# Allegro board trx_layout.brd (continued)
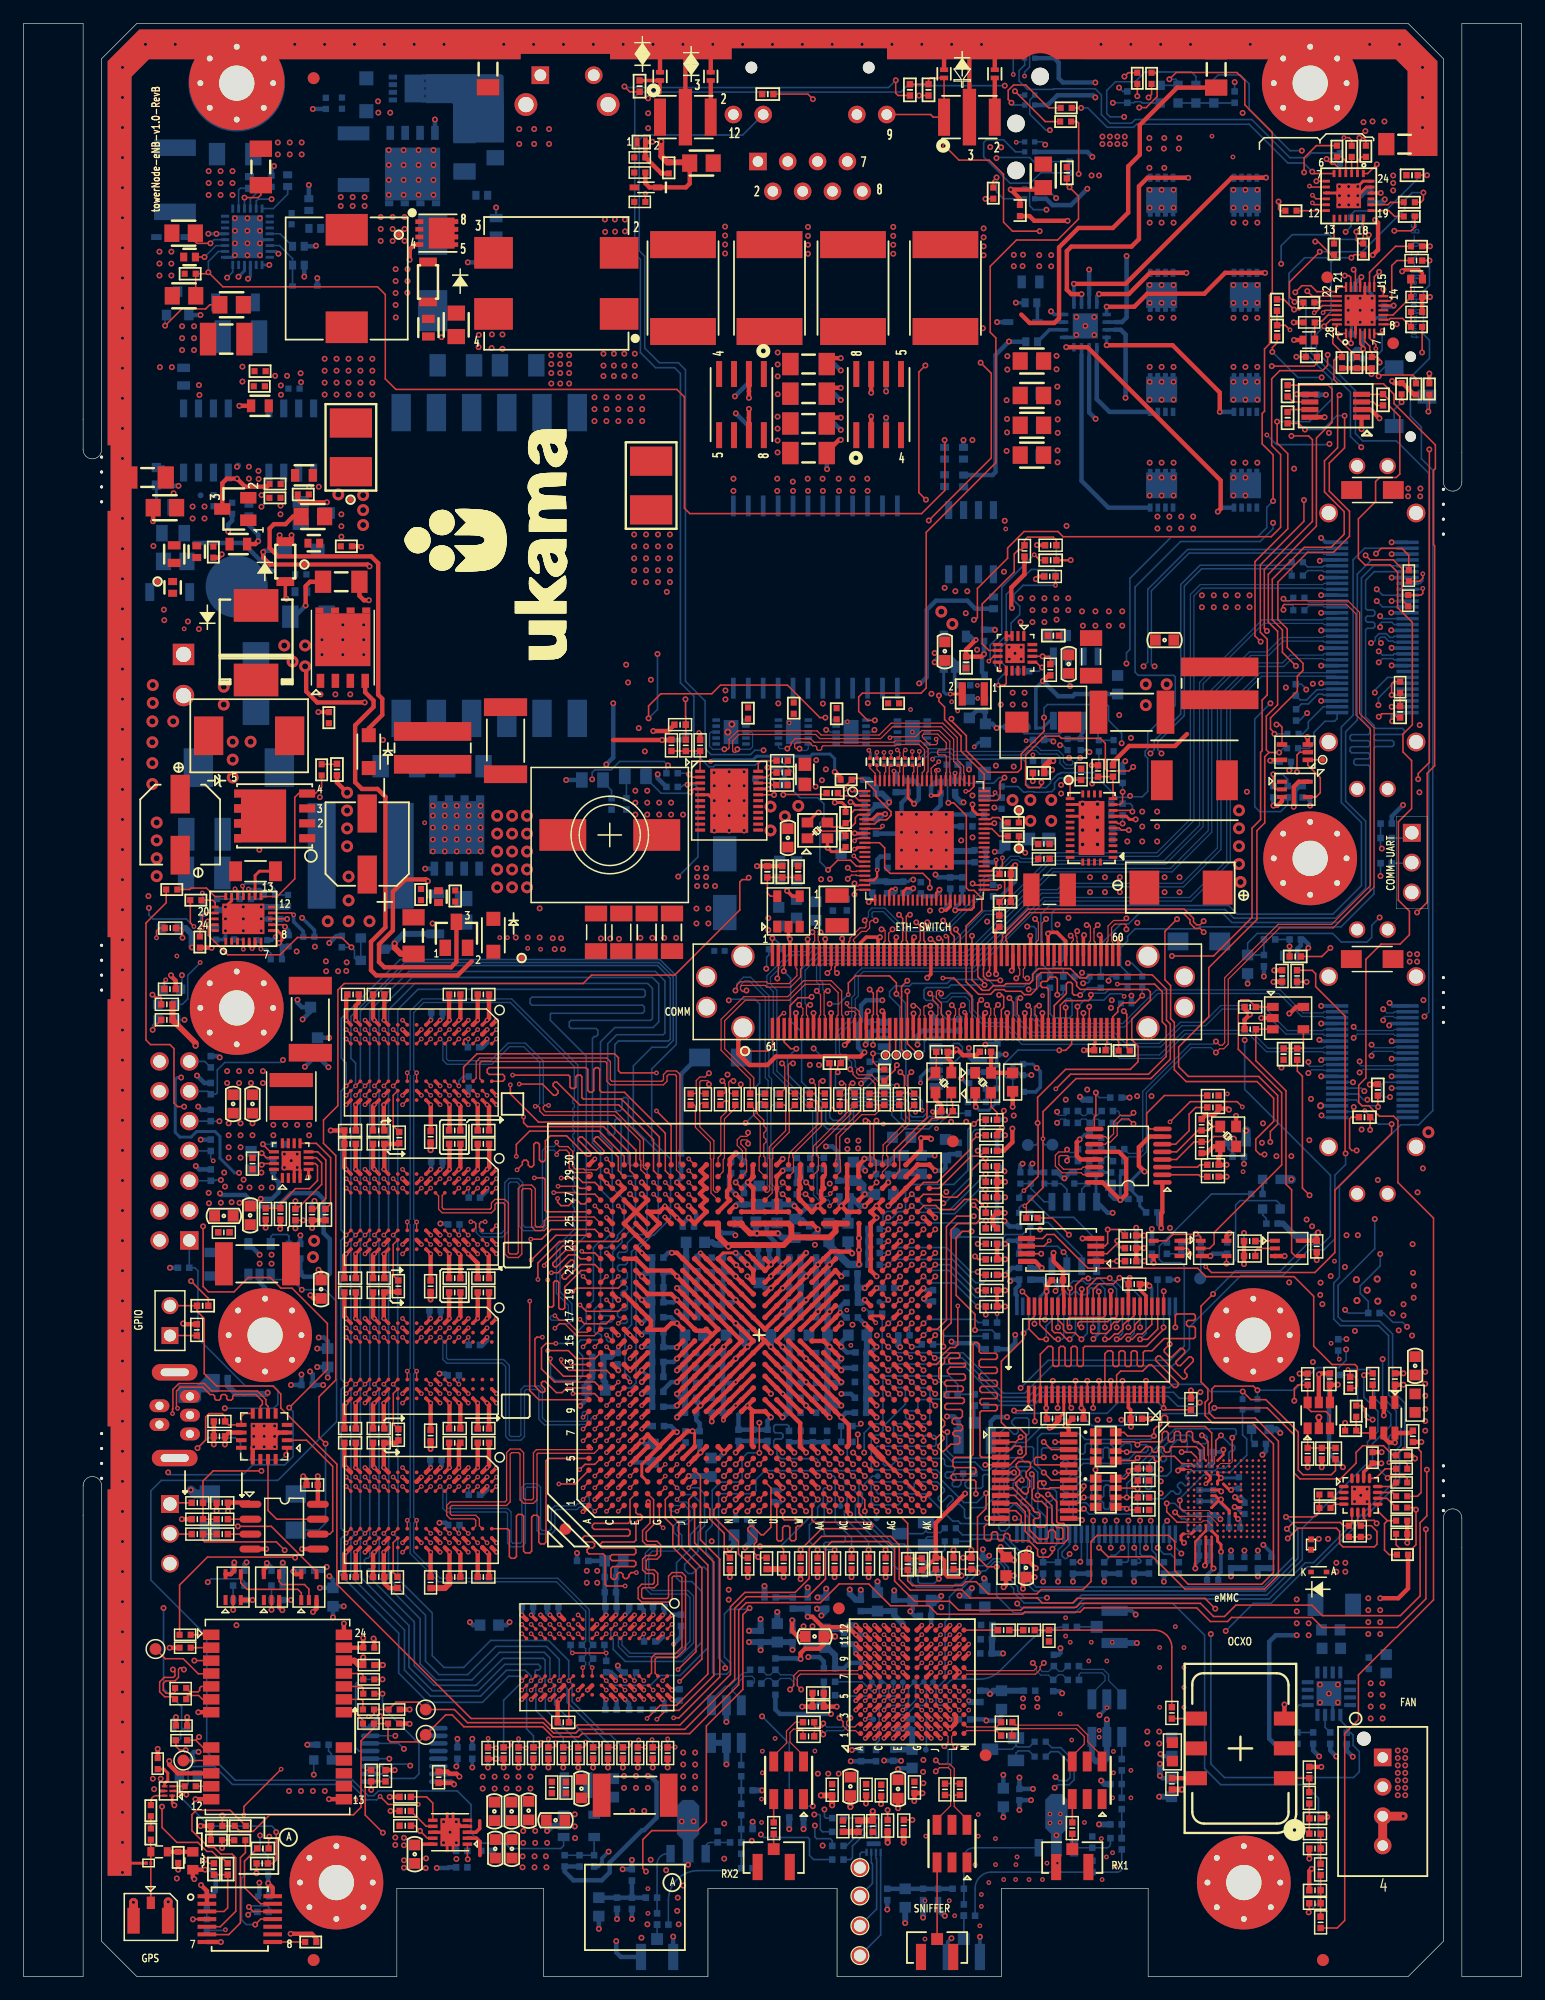
[diagram p0: board, top side]
## Routing (per net, layer and track width the routed paths; a pad name or vN(x,y) marks a point on that pad's centre or on a via; arc(x,y) is an arc through that point) (continued)
R0_LED/P4_LED0/ADDR[0]N: length 126
  TOP w0.137: U243.17 70.96,94.53 70.45,95.04 69.36,95.04 v1(68.54,94.23)
  L6-SIGNAL w0.127: v1(83.59,161) 84.78,161 85.88,159.89 89.59,159.89 90.35,160.65 93.15,160.65 v1(93.32,160.83)
  BOTTOM w0.137: R709.2 93.65,160.5 v1(93.32,160.83) ; v1(68.54,94.23) 67.84,94.93 67.84,98.22 68.19,98.56 68.19,99.84 67.66,100.36 66.16,100.36 65.64,100.88 65.64,102.41 64.6,103.45 62.65,103.45 62.34,103.14 58.91,103.14 58.78,103.01 58.38,103.01 57.1,104.29 57.1,109.01 55.96,110.15 55.96,136.49 55.47,136.99 53.84,136.99 52.55,138.28 52.55,146.21 52.07,146.68 52.07,160.05 52.48,160.45 74.73,160.45 75.28,161 v1(83.59,161)
R1_LED/P3_LED1/ADDR[1]N: length 134.1
  TOP w0.137: v2(70.73,95.42) 71.21,94.93 U243.16 ; v1(77.12,123.97) 82.44,129.3 82.44,136.5 v1(81.53,137.41)
  L3-SIGNAL w0.127: v1(103.17,161.3) 102.81,160.93 95.71,160.93 95.35,160.58 95.35,159.66 95.56,159.46 95.56,158.29 95.16,157.89 87.19,157.89 85.93,156.64 81.73,156.64 79.91,154.82 79.91,143.13 82.27,140.77 82.27,139.93 81.53,139.19 v1(81.53,137.41) ; v2(70.73,95.42) 70.74,95.42 72.51,93.65 72.51,93.29 73.86,91.94 83.64,91.94 86.05,89.53 87.29,89.53 87.7,89.12 88.27,89.12 88.55,89.41 88.55,90.76 89.22,91.43 89.22,95.51 88.86,95.88 88.86,101.62 88.35,102.12 87.61,102.12 87.1,102.63 87.1,105.34 87.73,105.97 87.73,107.67 85.03,110.37 82.67,110.37 82.43,110.61 79.1,110.61 78.5,110.02 78.5,108.79 78.25,108.53 77.14,108.53 76.89,108.79 76.89,123.75 v1(77.12,123.97)
  BOTTOM w0.137: R708.2 v1(103.17,161.3)
RF_1V8: length 33.5
  TOP w0.381: v1(117.55,50.39) C112.1 U25.1 ; v1(84.35,34.14) L12.1 83.69,33.35 v1(83.49,33.15)
  L3-SIGNAL w0.381: v1(117.55,50.39) 117.55,47.98 114.68,45.11 114.68,42.93 117.1,40.51 117.1,26.31 v1(115.75,24.97)
  BOTTOM w0.381: v1(81.72,36.37) 81.72,36.36 L28.1 82.09,35.65 v1(82.26,35.83)
  vias: v1(114.76,24.97) v1(114.76,24) v1(114.76,22.99) v1(114.76,21.97) v1(115.78,24) v1(115.78,22.99) v1(115.78,21.97)
RF_3V3: length 15.9
  TOP w0.381: v1(116.83,45.46) 116.83,45.46 ; 116.83,45.46 U25.6 118.15,46.28 C122.1 ; 116.83,45.46 116.33,45.46 115.88,45.91 U25.5
  BOTTOM w0.381: v1(51.04,9.14) L44.2 v1(51.83,9.93) ; v1(113.24,18.71) 112.73,19.22 R450.1 ; L46.2 v1(73.58,5.71) ; R685.2 111.22,44.54 v1(112.4,43.37)
  vias: v1(66.45,29.82) v1(67.21,29.82) v1(95.73,20.85) v1(95.73,19.84) v1(96.75,20.85) v1(96.75,19.84) v1(119.41,48.31) v1(119.41,47.29) v1(119.41,46.48)
RF_CLK_IN: length 17.6
  TOP w0.137: R211.2 97.82,28.01 arc(97.71,28.58) 97.39,29.06 arc(96.9,29.38) 96.33,29.5 R203.1 R201.1
RF_GPO0: length 1.4
  TOP w0.137: v1(69.67,43.61) U1.AB5
  BOTTOM w0.137: v1(69.67,43.61) 69.19,44.09 TP33.1
RF_GPO1: length 1.3
  TOP w0.137: U1.AB2 v1(69.67,40.61)
  BOTTOM w0.137: v1(69.67,40.61) 69.6,40.54 TP37.1
RF_GPO2: length 1.4
  TOP w0.137: v1(69.67,42.61) U1.AB4
  BOTTOM w0.137: TP35.1 69.67,42.53 v1(69.67,42.61)
RF_GPO3: length 1.4
  TOP w0.137: v1(68.67,43.61) U1.AA5
  BOTTOM w0.137: v1(68.67,43.61) 68.16,44.12 TP32.1
RF_RESET_L: length 1.5
  TOP w0.137: U25.3 R160.1
RJ45_LED_STATUS: length 10.7
  TOP w0.137: J4.112 89.29,79.37 88.78,78.86 v1(88.24,78.86)
  BOTTOM w0.137: R659.2 U248.3 83.75,76.53 83.57,76.7 83.57,77.74 84.72,78.88 88.22,78.88 v1(88.24,78.86)
RUN_LED: length 175.4
  TOP w0.137: v1(112.1,134.65) 111.94,134.49 111.94,130.17 110.82,129.05 110.82,126.41 112.5,124.73 112.5,122.8 111.39,121.69 109.1,121.69 106.38,118.97 106.38,115.52 107.24,114.66 107.24,112.74 v1(108.39,111.59) ; v1(115.48,145.14) 115.06,144.72 U21.15
  L3-SIGNAL w0.127: v1(108.39,111.59) 108.23,111.59 103.27,106.63 91.77,106.63 88.65,109.75 88.65,112.85 87.19,114.32 83.88,114.32 82.12,116.08 v1(80.27,116.08)
  L6-SIGNAL w0.127: v1(112.1,134.65) 112.1,136.66 112.56,137.11 115.08,137.11 115.32,136.88 115.85,136.88 116.39,137.41 116.39,140.26 115.85,140.79 115.85,142.7 116.33,143.18 116.33,144.29 v1(115.48,145.14) ; v1(80.27,116.08) 80.27,114.66 79.73,114.12 79.73,112.34 76.69,109.3 74.05,109.3 73.45,109.91 61.7,109.91 59.49,107.7 52.75,107.7 51.2,106.14 51.2,101.42 43.33,93.56 40.01,93.56 37.85,91.41 31.63,91.41 28.65,94.38 15.21,94.38 12.73,91.9 12.73,88.48 13.79,87.42 13.79,86.13 13.5,85.84 v1(13.5,85.26)
  BOTTOM w0.137: LED7.2 13.5,84.18 13.5,85.17 13.42,85.26 v1(13.5,85.26)
RX: length 1.9
  TOP w0.137: J8.1 12.58,40.34 R175.1
RX1A_ADI: length 2
  TOP w0.137: C174.2 U40.3
RX1C: length 6.5
  TOP w0.137: U43.3 J11.1
RX2A_ADI: length 2
  TOP w0.137: C173.2 U39.3
SATA_LED_N: length 58.5
  TOP w0.137: J4.29 77.77,87 77.77,87.9 77.35,88.33 v1(77.26,88.33)
  L3-SIGNAL w0.127: v1(77.26,88.33) 77.25,88.33 75.97,87.04 74.57,87.04 72.57,85.04 72.57,81.66 72.95,81.28 73.57,81.28 76.01,78.84 77.31,78.84 78.43,77.72 84.09,77.72 85.19,78.82 87.25,78.82 89,77.06 106.12,77.06 110.31,72.87 112.16,72.87 v1(113.32,74.03)
  BOTTOM w0.137: v1(113.32,74.03) 113.32,73.85 113.12,73.64 J16.39
SATA_RXN0: length 41.6
  TOP w0.107: v1(77.25,82.66) 76.81,82.66 76.7,82.55 76.7,81.88 76.8,81.79 J4.87
  L3-SIGNAL w0.095: v1(77.25,82.66) 76.99,82.66 76.71,82.37 76.71,82.29 76.7,82.29 76.7,81.83 77.67,80.85 80.34,80.85 81.11,80.08 90.38,80.08 92.4,78.06 105.68,78.06 105.97,78.35 108.14,78.35 109.04,77.46 109.33,77.46 109.45,77.57 v1(109.45,77.86)
  BOTTOM w0.107: v1(109.45,77.86) 109.45,77.61 109.56,77.5 110.66,77.5 110.79,77.64 J16.31
SATA_RXN1: length 35.5
  TOP w0.107: v1(84.92,83.31) 84.77,83.31 84.66,83.21 84.66,81.92 84.8,81.79 J4.103
  BOTTOM w0.107: v1(84.92,83.31) 84.92,83.35 84.83,83.44 84.65,83.44 84.54,83.34 84.54,81.79 85.93,80.41 92.91,80.41 93.87,79.45 96.75,79.45 98.56,81.25 100.56,81.25 101.98,82.67 105.54,82.67 107.67,80.54 110.7,80.54 110.79,80.64 J16.25
SATA_RXP0: length 41.6
  TOP w0.107: v1(75.8,82.66) 76.05,82.66 76.4,82.31 76.4,81.88 76.3,81.79 J4.86
  L3-SIGNAL w0.095: v1(75.8,82.66) 76.05,82.66 76.4,82.31 76.4,81.7 77.55,80.55 80.21,80.55 80.99,79.78 90.25,79.78 92.27,77.76 105.81,77.76 106.1,78.05 108.01,78.05 108.91,77.15 109.22,77.15 v1(109.45,76.92)
  BOTTOM w0.107: v1(109.45,76.92) 109.73,77.2 110.74,77.2 110.79,77.14 J16.32
SATA_RXP1: length 35.5
  TOP w0.107: v1(83.98,83.31) 84.35,82.94 84.35,81.84 84.3,81.79 J4.102
  BOTTOM w0.107: J16.26 110.79,80.14 110.7,80.24 107.54,80.24 105.42,82.37 102.11,82.37 100.69,80.95 98.68,80.95 96.88,79.15 93.74,79.15 92.79,80.1 85.8,80.1 84.24,81.66 84.24,83.05 v1(83.98,83.31)
SATA_TXN0: length 42.7
  TOP w0.107: J4.90 78.3,81.79 78.2,81.88 78.2,82.87 77.76,83.3 77.76,83.85 77.87,83.96 78.06,83.96 78.17,83.85 v1(78.17,83.69)
  BOTTOM w0.107: v1(78.17,83.69) 78.06,83.59 78.06,83.44 78.22,83.28 78.54,83.28 78.98,83.73 80.36,83.73 80.89,83.2 80.89,82.31 81.99,81.2 83.64,81.2 85.17,79.68 92.28,79.68 93.49,78.47 96.77,78.47 98.85,80.56 104.49,80.56 106.01,79.05 110.7,79.05 110.79,79.14 J16.28
SATA_TXN1: length 31.6
  TOP w0.107: J4.106 86.3,81.79 86.17,81.92 86.17,82.56 86.27,82.67 v1(86.52,82.67)
  BOTTOM w0.107: J16.22 110.79,82.14 110.7,82.04 109.01,82.04 107.05,84.01 96.51,84.01 93.65,81.15 86.78,81.15 86.1,81.83 86.1,82.56 86.21,82.67 v1(86.52,82.67)
SATA_TXP0: length 42.7
  TOP w0.107: v1(77.23,83.69) 77.46,83.46 77.46,83.18 77.89,82.74 77.89,81.88 77.8,81.79 J4.89
  BOTTOM w0.107: v1(77.23,83.69) 77.44,83.48 77.59,83.48 78.09,82.98 78.67,82.98 79.11,83.42 80.24,83.42 80.59,83.07 80.59,82.18 81.87,80.9 83.52,80.9 85.05,79.37 92.16,79.37 93.36,78.17 96.89,78.17 98.98,80.26 104.36,80.26 105.88,78.74 110.7,78.74 110.79,78.64 J16.29
SATA_TXP1: length 31.7
  TOP w0.107: v1(85.58,82.67) 85.86,82.38 85.86,81.85 85.8,81.79 J4.105
  BOTTOM w0.107: J16.23 110.79,81.64 110.7,81.74 108.89,81.74 106.93,83.7 96.63,83.7 93.77,80.84 86.65,80.84 85.8,81.7 85.8,82.45 v1(85.58,82.67)
SIO_SPI_CLK: length 8.7
  TOP w0.137: v1(88.78,82.5) 88.79,82.49 J4.111
  BOTTOM w0.137: v1(88.78,82.5) 88.78,83.12 88.91,83.26 89.19,83.26 89.33,83.12 89.33,81.85 89.1,81.62 87.79,81.62 87.45,81.97 R312.1
SIO_SPI_CS#: length 8.5
  TOP w0.137: v1(88.06,83.59) 88.06,84.95 87.93,85.09 87.43,85.09 87.3,84.95 87.3,84.86 87.16,84.73 86.79,84.73 86.65,84.59 86.65,84.35 86.79,84.21 87.16,84.21 87.3,84.07 J4.108
  BOTTOM w0.137: R311.1 88.58,83.73 88.44,83.59 v1(88.06,83.59)
SIO_SPI_MISO: length 8.4
  TOP w0.137: J4.109 87.8,82.66 88.84,83.7 88.84,84.52 88.97,84.65 89.22,84.65 89.35,84.52 89.35,83.7 89.49,83.57 v1(90.02,83.57)
  BOTTOM w0.137: R310.1 90.64,84.19 v1(90.02,83.57)
SIO_SPI_MOSI: length 8.5
  TOP w0.137: J4.110 88.32,80.7 88.32,82.7 88.71,83.09 90.71,83.09 90.93,83.3 v1(90.93,83.59)
  BOTTOM w0.137: v1(90.93,83.59) 91.06,83.73 92.14,83.73 92.45,84.04 93.9,84.04 R309.1
SOC_ETH_MDI0N: length 23.1
  TOP w0.107: J4.8 67.3,88.09 67.39,88.18 67.39,88.74 v1(67.21,88.92) ; C608.2 v2(75.71,104.3)
  L6-SIGNAL w0.095: v2(75.71,104.3) 75.86,104.15 75.86,103.83 74.53,102.49 74.53,102.48 74.3,102.26 74.29,102.26 71.31,99.27 69.95,99.27 66.6,95.93 66.6,91.63 67.4,90.83 67.4,89.24 67.21,89.05 v1(67.21,88.92)
SOC_ETH_MDI0P: length 23.1
  TOP w0.107: J4.9 67.8,88.09 67.7,88.18 67.7,88.73 v1(67.89,88.92) ; C610.2 v2(76.31,104.32)
  L6-SIGNAL w0.095: v2(76.31,104.32) 76.17,104.17 76.17,103.7 74.83,102.36 74.83,102.35 74.43,101.95 74.42,101.95 71.44,98.97 70.07,98.97 66.9,95.8 66.9,91.75 67.7,90.96 67.7,89.24 67.89,89.05 v1(67.89,88.92)
SOC_ETH_MDI1N: length 39.8
  TOP w0.107: J4.12 69.3,86.16 69.13,85.99 69.13,85.95 69.12,85.94 69.12,85.62 v1(69.3,85.44) ; C611.2 74.65,103.89 74.65,104.22 v2(74.44,104.43)
  L6-SIGNAL w0.095: v2(74.44,104.43) 74.6,104.43 74.8,104.63 74.8,104.98 74.7,105.08 74.37,105.08 74.09,104.79 66.92,104.79 66.7,105.01 64.75,105.01 64.57,104.82 64.57,103 67,100.57 67,98.12 64.59,95.71 64.59,90.95 64.86,90.68 64.86,87.12 65.5,86.48 68.66,86.48 68.93,86.21 68.93,85.22 69.05,85.11 69.18,85.11 69.3,85.22 v1(69.3,85.44)
SOC_ETH_MDI1P: length 39.7
  TOP w0.107: C614.2 74.95,103.89 74.95,104.26 v2(75.12,104.43) ; J4.11 68.8,86.12 68.81,86.11 68.81,86.1 68.81,85.76 v1(68.48,85.44)
  L6-SIGNAL w0.095: v2(75.12,104.43) 75.1,104.45 75.1,105.11 74.83,105.38 74.25,105.38 73.96,105.1 67.04,105.1 66.83,105.31 64.63,105.31 64.26,104.95 64.26,102.87 66.69,100.44 66.69,98.24 64.28,95.83 64.28,90.82 64.55,90.56 64.55,86.99 65.37,86.18 68.53,86.18 68.63,86.08 68.63,85.58 v1(68.48,85.44)
SOC_ETH_MDI2N: length 33.5
  TOP w0.107: v2(70.15,82.02) 70.31,82.18 70.73,82.18 70.89,82.01 70.89,81.88 70.8,81.79 J4.75 ; C615.2 73.3,104.22 v2(73.3,104.22)
  L6-SIGNAL w0.095: v2(70.15,82.02) 70.15,82.23 70.05,82.33 69.44,82.33 69.17,82.6 69.17,84.48 69.74,85.05 69.74,86.36 68.82,87.28 66.63,87.28 65.79,88.13 65.79,96.2 68.34,98.76 68.34,101.04 70.92,103.61 73.32,103.61 73.42,103.71 73.42,104.1 v2(73.3,104.22)
SOC_ETH_MDI2P: length 33.6
  TOP w0.107: J4.76 71.3,81.79 71.2,81.88 71.2,82.14 70.86,82.48 70.35,82.48 70.15,82.68 v2(70.15,82.86) ; v2(73.88,104.24) 73.9,104.24 73.9,104.24 C609.2
  L6-SIGNAL w0.095: v2(73.88,104.24) 73.72,104.08 73.72,103.58 73.45,103.31 71.04,103.31 68.65,100.91 68.65,98.63 66.09,96.07 66.09,88.25 66.76,87.59 68.95,87.59 70.04,86.49 70.04,84.92 69.48,84.35 69.48,82.73 69.57,82.63 69.92,82.63 v2(70.15,82.86)
SOC_ETH_MDI3N: length 42
  TOP w0.107: v1(89.76,89.01) 89.65,88.9 89.65,88.61 89.74,88.52 89.74,88.14 89.79,88.09 J4.53 ; C612.2 72.1,104.32 v2(72.01,104.41)
  L3-SIGNAL w0.095: v1(89.76,89.01) 89.74,89.01 89.64,89.11 89.64,89.31 90.63,90.3 91.55,90.3 92.94,91.69 92.94,94.05 91.01,95.98 91.01,100.32 90.21,101.13 90.21,102.31 89.85,102.66 89.85,103.61 v1(90.01,103.77)
  BOTTOM w0.107: v2(72.01,104.41) 72.23,104.19 72.23,103.62 72.75,103.1 76.15,103.1 77.29,104.24 78.93,104.24 79.17,104 85.2,104 85.6,104.4 86.25,104.4 86.56,104.09 88.03,104.09 88.28,103.84 88.28,103.31 88.73,102.86 89.41,102.86 89.7,103.14 89.7,103.45 v1(90.01,103.77)
SOC_ETH_MDI3P: length 42.1
  TOP w0.107: J4.52 89.29,88.09 89.43,88.23 89.43,88.39 v1(89.2,88.62) ; C613.2 v2(72.7,104.23)
  L3-SIGNAL w0.095: v1(89.07,103.77) 89.07,104 89.28,104.2 89.45,104.2 89.55,104.11 89.55,103.73 89.55,102.54 89.9,102.18 89.9,101 90.7,100.2 90.7,95.86 92.63,93.92 92.63,91.81 92.04,91.22 91.9,91.22 91.84,91.28 91.7,91.28 91.57,91.15 91.57,91.01 91.63,90.95 91.63,90.81 91.42,90.6 90.5,90.6 89.33,89.43 89.33,89.19 89.33,89.19 89.33,89.02 89.2,88.9 v1(89.2,88.62)
  BOTTOM w0.107: v2(72.7,104.23) 72.53,104.07 72.53,103.75 72.88,103.4 76.02,103.4 77.17,104.55 79.05,104.55 79.29,104.31 85.07,104.31 85.47,104.7 86.38,104.7 86.69,104.39 88.16,104.39 88.59,103.97 88.59,103.43 88.86,103.16 89.28,103.16 89.39,103.27 89.39,103.45 v1(89.07,103.77)
SOC_HDMI_DDSP_HPD: length 64.2
  TOP w0.137: v1(77.97,88.4) 78.17,88.4 78.3,88.27 J4.30
  L3-SIGNAL w0.127: v1(114.48,74.65) 114.4,74.58 114.4,74.47 114.39,74.47 112.46,72.54 110.11,72.54 105.92,76.73 88.86,76.73 87.14,78.46 85.3,78.46 84.22,77.39 78.29,77.39 77.17,78.51 75.86,78.51 73.42,80.95 72.55,80.95 71.49,82.01 71.49,84.44 74.43,87.38 75.56,87.38 76.95,88.78 77.79,88.78 77.97,88.59 v1(77.97,88.4)
  BOTTOM w0.137: J16.36 113.66,75.14 114.15,74.65 v1(114.48,74.65)
SOC_I2C2_SCL_1P8: length 47.5
  TOP w0.137: v1(79.43,89.15) 79.55,89.03 79.55,88.9 79.8,88.66 J4.33
  L3-SIGNAL w0.127: v1(109.35,107.57) 108.03,107.57 107.65,107.19 106.45,107.19 100,100.74 100,93.18 93.98,87.16 80.79,87.16 79.43,88.52 v1(79.43,89.15)
  BOTTOM w0.137: v1(109.35,107.57) 109.32,107.57 108.69,106.93 R484.2
SOC_I2C2_SDA_1P8: length 50.5
  TOP w0.137: v1(78.34,89.91) 78.98,89.27 78.98,88.87 79.28,88.56 79.28,87 J4.32
  L3-SIGNAL w0.127: v1(109.27,109.58) 107.31,107.62 106.29,107.62 99.6,100.92 99.6,95.66 97.92,93.98 97.92,91.57 93.84,87.49 81,87.49 80.08,88.4 80.08,89.25 79.43,89.91 v1(78.34,89.91)
  BOTTOM w0.137: v1(109.27,109.58) 109.27,109.63 108.86,110.03 R483.2
SOC_IO_2_1P8: length 30.6
  TOP w0.137: J4.2 64.3,85.06 v1(64.22,84.98)
  L6-SIGNAL w0.127: v1(67.31,79.02) 66.6,79.73 66.6,79.76 65.35,81.01 65.35,83.85 v1(64.22,84.98)
  BOTTOM w0.137: U59.3 77.12,76.51 76.96,76.35 76.96,73.53 76.63,73.2 76.16,73.2 76.16,73.2 75.7,73.2 75.46,73.43 75.46,74.37 74.92,74.92 72.01,74.92 71.93,74.84 70.46,74.84 70.02,74.4 70.02,73.29 69.62,72.89 68.96,72.89 68.68,73.17 68.68,77.65 v1(67.31,79.02)
SOC_IO_3_1P8: length 23.7
  TOP w0.137: J4.62 64.3,81.63 64.69,82.02 v2(64.78,82.02) ; v2(70.26,83.6) 70.26,84.59 70.87,85.2 73.77,85.2 74.36,84.61 v1(74.36,83.66)
  L3-SIGNAL w0.127: v2(64.78,82.02) 65.55,81.25 67.21,81.25 68.68,82.72 v1(68.68,82.82)
  BOTTOM w0.137: v1(68.68,82.82) 69.48,82.82 v2(70.26,83.6) ; v1(74.36,83.66) 75.13,82.89 75.13,79.05 75.61,78.58 76.54,78.58 76.74,78.78 76.74,79.6 77.03,79.89 U58.3
SOC_IO_5_1P8: length 30.7
  TOP w0.137: v1(64.76,85.6) 64.76,85.71 64.8,85.75 J4.3
  BOTTOM w0.137: v1(64.76,85.6) 65.35,85.01 65.35,81.36 66.29,80.42 66.29,76.17 68.34,74.13 68.34,72.85 68.67,72.51 70.02,72.51 70.36,72.85 70.36,74.08 70.77,74.5 72.07,74.5 72.14,74.57 74.71,74.57 75.12,74.15 75.12,73.29 75.56,72.86 76.3,72.86 76.77,72.86 77.15,73.23 77.66,73.23 77.85,73.42 77.85,74.78 77.75,74.88 U59.4
SOC_IO_6_1P8: length 4
  TOP w0.137: J4.61 63.8,79.15 63.44,78.8 TP51.1
SOC_PLTRST_N_3V3: length 60
  TOP w0.137: J4.64 65.3,82.66 65.97,83.34 67.06,83.34 v1(67.13,83.41) ; R9.2 v1(114.71,72.09)
  L3-SIGNAL w0.127: v1(67.13,83.41) 69.04,83.41 69.45,83.01 69.45,80.7 69.95,80.19 73.72,80.19 75.73,78.18 77.03,78.18 78.15,77.06 84.36,77.06 85.4,78.09 87.04,78.09 88.73,76.4 105.77,76.4 109.95,72.21 112.74,72.21 113.09,72.56 114.17,72.56 114.65,72.09 v1(114.71,72.09)
SOC_UART1_CTS: length 76.2
  TOP w0.137: v1(75.29,84.79) 74.8,84.29 74.8,83.86 74.81,83.85 74.81,83.48 74.8,83.47 J4.83 74.8,78.93 TP14.1
  L3-SIGNAL w0.127: v1(75.29,84.79) 75.29,85.26 76.51,86.49 92.56,86.49 94.15,84.9 96.47,84.9 98.81,87.24 98.81,90.87 100.93,92.99 100.93,100.4 105.76,105.23 107.42,105.23 109.17,106.98 111.17,106.98 116.08,111.9 116.08,113.72 116.03,113.77 116.03,117.36 v1(115.28,118.11)
  BOTTOM w0.137: v1(115.28,118.11) 115.78,117.61 J13.10
SOC_UART1_RTS: length 74.5
  TOP w0.137: TP15.1 75.3,79.42 J4.84 75.3,83.88 v1(75.29,83.88)
  L3-SIGNAL w0.127: v1(116.55,117.11) 116.99,116.67 116.99,111.45 116.36,110.82 115.57,110.82 111.36,106.6 109.35,106.6 107.57,104.83 105.82,104.83 101.4,100.4 101.4,92.87 99.16,90.64 99.16,87.13 96.6,84.57 94.01,84.57 92.42,86.16 76.65,86.16 75.88,85.39 75.88,84.47 v1(75.29,83.88)
  BOTTOM w0.137: J13.11 v1(116.55,117.11)
SOC_UART1_RX: length 2.2
  TOP w0.137: TP13.1 74.3,78.51 J4.82
SOC_UART1_TX: length 2.4
  TOP w0.137: TP12.1 73.78,78.81 73.78,80.66 J4.81
SPARE1: length 7.2
  BOTTOM w0.305: U46.3 92.94,140.21
  BOTTOM w0.381: v1(93.88,134.42) 93.88,134.42 93.88,139.81 93.47,140.21 92.94,140.21
  vias: v1(68.07,127.53) v1(68.1,126.49) v1(83.75,129.9) v1(103.07,128.9) v1(103.07,127.63) v1(103.07,126.1) v1(104.09,128.9) v1(104.09,127.63) v1(104.09,126.1) v1(105.11,128.9)
SPARE2: length 6.3
  BOTTOM w0.305: U46.6 90.78,137.87 90.78,137.87
  BOTTOM w0.381: v1(91.33,132.63) 90.78,133.18 90.78,137.87
  vias: v1(64.21,127.53) v1(64.21,126.49) v1(83.79,132.61) v1(83.79,131.47) v1(95.94,128.9) v1(95.94,127.63) v1(95.94,126.1) v1(96.95,128.9) v1(96.95,127.63) v1(96.95,126.1) v1(97.97,128.9) v1(97.97,127.63) v1(97.97,126.1)
SPDT_CNTRL_MASK_GPS_UART: length 232.5
  TOP w0.137: v1(30.62,12.25) 30.61,12.25 29.11,13.74 29.11,17.42 29.27,17.57 R229.1 ; R385.1 v1(119.77,146.11)
  L3-SIGNAL w0.127: v1(30.62,12.25) 31.15,12.79 32.68,12.79 34.62,10.85 47.27,10.85 48.31,11.89 57.84,11.89 v1(59.69,10.03)
  L6-SIGNAL w0.127: v1(84.65,31.75) 84.63,31.73 84.63,26.28 85.9,25.01 85.9,21.11 84.86,20.07 83.21,20.07 75.9,12.75 68.41,12.75 64.8,9.14 60.58,9.14 v1(59.69,10.03)
  BOTTOM w0.137: v1(84.65,31.75) 85.04,31.37 89.51,31.37 90.24,32.11 90.41,32.11 90.44,32.14 106.11,32.14 109.2,35.23 109.88,35.23 116.88,42.22 116.88,44.79 117.34,45.25 117.34,48.47 116.28,49.53 116.28,54.57 116.27,54.58 115.43,55.42 112.18,55.42 111.61,55.98 111.61,59.05 112.09,59.54 112.09,67.28 117.33,72.52 118.84,72.52 120.05,73.72 120.05,128.26 119.08,129.24 119.08,131.93 118.15,132.86 118.15,136.15 119.76,137.76 119.76,139.32 119.26,139.83 119.26,143.48 119.77,144 v1(119.77,146.11)
SYS_5V_PG: length 4.4
  TOP w0.137: U34.2 24.31,32.99 23.93,33.38 22.03,33.38 21.78,33.63 U33.4
SYS_DC_OK: length 172.9
  TOP w0.137: U34.4 24.96,34.47 24.83,34.61 21.11,38.33 v1(18.26,38.33) ; U1.AD4 v1(71.67,42.61)
  L3-SIGNAL w0.127: v1(84.94,50.11) 84.94,48.07 79.94,43.08 73.25,43.08 72.79,42.61 v1(71.67,42.61) ; v1(59.77,26.26) 58.7,25.19 58.7,15.34 57.46,14.1 53.81,14.1 53.15,13.44 48.21,13.44 47.39,14.26 33.32,14.26 32.99,14.59 17.88,14.59 13.31,19.16 13.31,20.24 14.4,21.33 14.4,26.24 13.95,26.7 13.95,29.79 17.02,32.87 17.02,37.09 v1(18.26,38.33)
  BOTTOM w0.137: v1(84.94,50.11) 87.3,52.47 97.68,52.47 98.88,53.68 98.88,60.48 98.58,60.78 97.03,60.78 96.75,61.06 96.75,62.18 97.07,62.5 R380.1 97.4,62.82 101.2,66.62 R97.2 ; v1(71.67,42.61) 71.21,43.07 63.15,43.07 62.4,42.32 62.4,41.36 62.14,41.1 59.35,41.1 59.21,40.97 59.21,27.12 59.77,26.56 v1(59.77,26.26)
SYS_RST_L: length 470.4
  TOP w0.137: R634.1 113.37,146.6 v1(113.12,146.35) ; R677.2 107.37,142.8 v1(108.24,141.93) 108.73,141.93 109.02,142.22 R41.2 ; U16.4 v1(102.48,60.71) ; v1(105.12,49.92) 104.77,50.27 101.48,50.27 101.23,50.02 101.23,48.99 100.99,48.75 100.99,48.01 101.45,47.55 104.93,47.55 106.9,45.58 106.9,34.18 105.72,32.99 98.94,32.99 96.19,35.74 92.39,35.74 v1(91.62,36.51) ; R4.2 v1(112.58,47.14) ; U1.AH19 v1(75.67,58.61)
  L3-SIGNAL w0.127: v1(11.93,31.38) 11.93,31.56 14.52,34.15 14.52,39.57 17.6,42.65 17.6,50.22 15.07,52.76 15.07,60.53 19.7,65.16 19.7,67.72 17.92,69.5 17.92,72.76 21.21,76.05 21.21,78.51 22.56,79.86 22.56,85.47 21.3,86.73 15.21,86.73 15.06,86.88 13.08,86.88 v2(13.07,86.89) ; v1(112.67,53.39) 113.69,52.38 113.69,48.25 v1(112.58,47.14) ; v1(102.48,60.71) 102.48,62.24 100.23,64.49 86.39,64.49 82.65,60.76 81.16,60.76 80.46,60.06 77.49,60.06 77.22,59.8 77.22,59.52 76.76,59.06 76.11,59.06 v1(75.67,58.61) ; v1(83.59,123.95) 86.68,123.95 87.9,125.17 105.04,125.17 106.35,126.49 106.35,131.62 106.26,131.71 106.26,132.83 106.84,133.4 106.84,140.53 v1(108.24,141.93)
  L6-SIGNAL w0.127: v1(83.59,123.95) 82.88,124.66 78.85,124.66 76.94,122.76 76.94,110.81 76.72,110.59 57.34,110.59 55.12,108.37 52.49,108.37 50.54,106.41 50.54,101.84 45.25,96.55 40.13,96.55 39.46,95.88 39.46,95.32 36.21,92.07 31.92,92.07 28.95,95.04 14.94,95.04 12.07,92.17 12.07,88.21 13.07,87.21 v2(13.07,86.89) ; v1(102.48,60.71) 102.99,61.22 106.85,61.22 108.61,59.46 108.61,58.12 110.19,56.55 110.19,54.27 111.04,53.41 112.65,53.41 v1(112.67,53.39) 113.66,53.39 114.99,52.07 116.88,52.07 119.29,54.48 119.29,60.05 118.8,60.55 118.8,65.93 119.32,66.45 119.32,67.04 116.78,69.58 116.78,71.94 118.01,73.16 118.01,83.52 116.94,84.59 116.94,87.22 117.76,88.04 117.76,90.14 116.33,91.57 116.33,99.52 117.43,100.61 117.43,108.43 118.37,109.37 118.37,122.73 114.91,126.19 114.91,129.24 113.96,130.19 v1(113.96,130.21)
  BOTTOM w0.137: 111.38,145.97 111.76,146.35 v1(113.12,146.35) ; 111.38,145.97 111.01,146.35 109.14,146.35 107.8,145.01 107.8,142.36 v1(108.24,141.93) ; 111.38,145.97 111.38,141.76 109.71,140.08 109.71,138.23 113.04,134.89 113.04,131.13 v1(113.96,130.21) ; v1(112.67,53.39) 112.67,52.47 112.04,51.84 110.17,51.84 108.24,49.92 v1(105.12,49.92) R2N1.1 ; LED4.2 107.05,65.75 106.73,66.07 103.63,66.07 103.25,65.68 103.25,61.04 102.92,60.71 v1(102.48,60.71) ; 13.57,21.08 R446.1 ; 13.57,21.08 13.47,21.18 13.47,22.95 11.93,24.49 v1(11.93,31.38) ; 13.57,21.08 13.39,20.9 13.39,20.25 13.25,20.12 R447.1 ; U64.14 v1(91.62,36.51)
T2P: length 1.4
  BOTTOM w0.254: v1(15.75,148.39) 15.75,148.38 16.43,148.38 v1(16.43,148.39) 16.44,148.38 U45.5
  vias: v1(11.62,137.03) v1(12.64,137.03)
TG12: length 10.3
  TOP w0.381: v1(91.62,143.26) 94.16,143.26 95.96,145.06 v1(99.06,145.06)
  BOTTOM w0.305: v1(91.62,143.26) 91.43,143.07 U46.16
  BOTTOM w0.381: Q22.4 v1(99.06,145.06)
TG36: length 16.1
  TOP w0.381: v1(105.77,145.06) 102.36,145.06 100.58,143.28 95.73,143.28 94.63,142.18 v1(92.27,142.18)
  BOTTOM w0.305: U46.1 v1(92.27,142.18)
  BOTTOM w0.381: Q21.4 v1(105.77,145.06)
TG45: length 14.8
  TOP w0.381: v1(101.91,133.22) 101.91,134.87 97.88,138.9 v1(92.27,138.9)
  BOTTOM w0.305: U46.4 v1(92.27,138.9)
  BOTTOM w0.381: Q24.4 v1(101.91,133.22)
TG78: length 9.4
  BOTTOM w0.305: 91.43,137.78 U46.5
  BOTTOM w0.381: Q25.4 92.51,133.22 91.43,134.3 91.43,137.78
TP_GPO_0: length 1.8
  BOTTOM w0.137: U90.8 71.39,10.58 71.25,10.44 TP47.1
TP_GPO_1: length 6.9
  BOTTOM w0.137: U90.6 72.62,10.06 72.68,10 72.68,5.75 TP49.1
TP_GPO_2: length 4.2
  BOTTOM w0.137: U90.7 72.22,9.69 72.32,9.59 72.32,7.92 TP50.1
TP_GPO_3: length 9.5
  BOTTOM w0.137: TP48.1 73.02,3.55 U90.5
TX: length 1.9
  TOP w0.137: R183.1 12.5,37.67 J8.2
TX1A: length 1.9
  BOTTOM w0.137: C442.2 U66.3
TX2A: length 1.9
  BOTTOM w0.137: U67.3 C443.2
UNNAMED_101_NPN_I2_B: length 4.8
  BOTTOM w0.132: Q32.3 84.23,19.35 84.54,19.67 ; 84.54,19.67 84.66,19.55 85.69,19.55 R451.2 ; 84.54,19.67 Q32.1
UNNAMED_101_NPN_I2_E: length 2.5
  BOTTOM w0.132: Q32.2 84.54,19.01 84.74,19.21 85.65,19.21 R467.2
UNNAMED_101_NPN_I19_B: length 4.8
  BOTTOM w0.132: R422.2 78.11,37.81 77.02,37.81 76.88,37.94 76.88,37.97 ; Q31.1 76.88,37.97 ; 76.88,37.97 76.62,37.71 Q31.3
UNNAMED_101_NPN_I19_E: length 4
  BOTTOM w0.132: Q31.2 76.88,37.3 77.02,37.44 77.67,37.44 77.85,37.25 77.85,36.33 77.99,36.2 78.34,36.2 78.47,36.33 R423.2
USB3_RX0_N: length 62.5
  TOP w0.132: J4.24 75.3,88.12 75.2,88.21 75.2,90.27 75.33,90.4 v1(75.52,90.4)
  L6-SIGNAL w0.117: v1(115.57,114.89) 115.55,114.89 115.25,115.19 105.82,115.19 105.43,114.8 94.81,114.8 93.95,113.95 93,113.95 89.63,110.57 88.6,110.57 81.59,103.56 80.71,103.56 80.09,102.95 80.09,101.67 78.91,100.49 78.25,100.49 76.9,99.14 76.9,98.73 76.37,98.21 76.11,98.21 75.63,97.72 75.63,94.29 75.22,93.89 75.22,90.52 75.35,90.4 75.51,90.4 v1(75.52,90.4)
  BOTTOM w0.132: J13.15 116.76,115.11 116.57,115.31 115.7,115.31 115.57,115.18 v1(115.57,114.89)
USB3_RX0_P: length 62.5
  TOP w0.132: v1(74.58,90.4) 74.89,90.09 74.89,88.21 74.8,88.12 J4.23
  L6-SIGNAL w0.117: v1(115.57,115.83) 115.23,115.5 105.69,115.5 105.3,115.1 94.68,115.1 93.83,114.25 92.88,114.25 89.5,110.88 88.48,110.88 81.47,103.87 80.58,103.87 79.79,103.08 79.79,101.8 78.79,100.79 78.12,100.79 76.59,99.26 76.59,98.86 76.25,98.51 75.99,98.51 75.32,97.85 75.32,94.41 74.92,94.01 74.92,90.71 v1(74.58,90.4)
  BOTTOM w0.132: v1(115.57,115.83) 115.79,115.61 J13.14
USB3_TX0_N: length 68.3
  TOP w0.132: J4.79 72.8,81.82 72.7,81.91 72.7,83.91 72.83,84.04 v1(73.02,84.04)
  L6-SIGNAL w0.117: v1(115.45,111.89) 115.13,112.21 115.12,112.21 95.34,112.21 94.7,111.58 94.7,111.49 91.74,108.53 91.74,102.52 91.42,102.19 90.71,102.19 89.43,100.92 89.43,96.93 83.36,90.86 80.51,90.86 78.65,89 75.69,89 75.3,88.61 75.3,88.06 72.58,85.34 72.58,84.19 72.73,84.04 v1(73.02,84.04)
  BOTTOM w0.132: J13.21 116.76,112.11 116.67,112.21 115.76,112.21 v1(115.45,111.89)
USB3_TX0_P: length 68.4
  TOP w0.132: J4.78 72.3,81.82 72.4,81.91 72.4,83.72 v1(72.08,84.04)
  L6-SIGNAL w0.117: v1(115.45,112.83) 115.13,112.52 115.13,112.52 95.21,112.52 94.4,111.7 94.4,111.61 91.44,108.65 91.44,102.64 91.29,102.5 90.58,102.5 89.13,101.04 89.13,97.06 83.23,91.16 80.38,91.16 78.53,89.31 75.57,89.31 74.99,88.74 74.99,88.64 74.99,88.64 74.99,88.19 72.27,85.46 72.27,84.23 v1(72.08,84.04)